# Altium PCB 智能马桶综合检测台_数据板V1.0.PcbDoc (part 5 of 8)
Units mil, origin at the board's own origin, x right, y up, seen from the top; angles counter-clockwise.
Board outline 5580 x 4007.36 mil, 2 copper layers (Top Layer, Bottom Layer); 109 components, 92 nets, 426 pads, 50 vias.
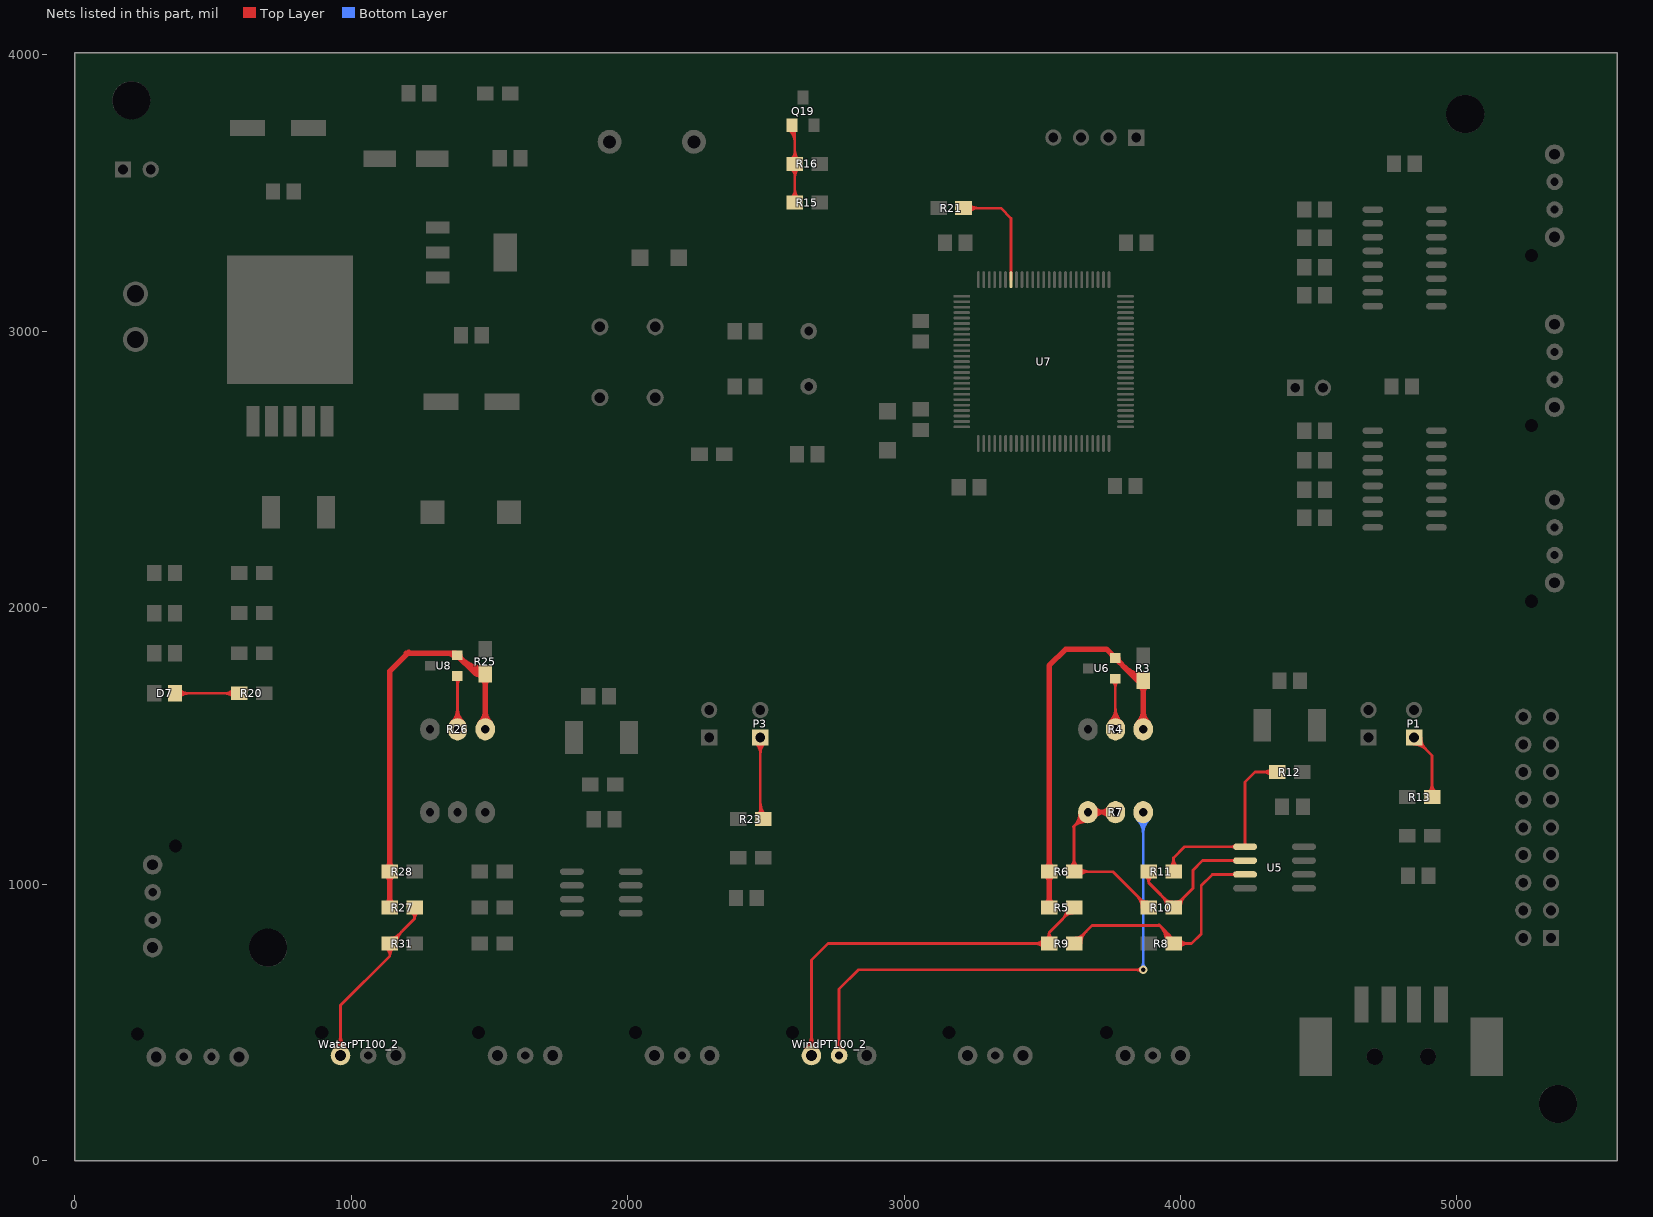
[diagram p5: the nets of this part, all layers, seen from the top]

## Via types
v1: diameter 30, hole 15, Top Layer to Bottom Layer, 31 vias
v2: diameter 40, hole 20, Top Layer to Bottom Layer, 19 vias

## Nets (pads, with @x,y where several pads share a name; then routed paths per layer and width w, separated by ;. In a path a pad name is that pad's centre, name@x,y a point inside that pad or via, vN(x,y) a via of type N, cw(c..) or ccw(c..) an arc to the next point about the centre after c; other vN are vias at no path point) (continued)
NetD7_2: D7.2 R20.2 | length 1156.2
  Top Layer w10: D7.2@362.4,1690 R20.2@595,1690 ; D7.2@376.96,1675.44 cw(c412.11,1640.29) 412.11,1690 ; D7.2@376.96,1675.44 cw(c412.11,1640.29) 412.11,1690 ; D7.2@376.96,1675.44 cw(c412.11,1640.29) 412.11,1690 ; D7.2@376.96,1675.44 cw(c412.11,1640.29) 412.11,1690 ; D7.2@376.96,1675.44 cw(c412.11,1640.29) 412.11,1690 ; D7.2@376.96,1675.44 cw(c412.11,1640.29) 412.11,1690 ; D7.2@376.96,1704.56 ccw(c412.11,1739.71) 412.11,1690 ; D7.2@376.96,1704.56 ccw(c412.11,1739.71) 412.11,1690 ; D7.2@376.96,1704.56 ccw(c412.11,1739.71) 412.11,1690 ; D7.2@376.96,1704.56 ccw(c412.11,1739.71) 412.11,1690 ; D7.2@376.96,1704.56 ccw(c412.11,1739.71) 412.11,1690 ; D7.2@376.96,1704.56 ccw(c412.11,1739.71) 412.11,1690 ; 541.72,1690 cw(c541.72,1641.72) R20.2@575.86,1675.86 ; 541.72,1690 ccw(c541.72,1738.28) R20.2@575.86,1704.14 ; 541.72,1690 ccw(c541.72,1738.28) R20.2@575.86,1704.14 ; 541.72,1690 cw(c541.72,1641.72) R20.2@575.86,1675.86 ; 541.72,1690 ccw(c541.72,1738.28) R20.2@575.86,1704.14 ; 541.72,1690 cw(c541.72,1641.72) R20.2@575.86,1675.86 ; 541.72,1690 ccw(c541.72,1738.28) R20.2@575.86,1704.14 ; 541.72,1690 cw(c541.72,1641.72) R20.2@575.86,1675.86 ; 541.72,1690 ccw(c541.72,1738.28) R20.2@575.86,1704.14 ; 541.72,1690 cw(c541.72,1641.72) R20.2@575.86,1675.86 ; 541.72,1690 ccw(c541.72,1738.28) R20.2@575.86,1704.14 ; 541.72,1690 cw(c541.72,1641.72) R20.2@575.86,1675.86
NetP1_1: P1.1 R13.2 | length 1585.6
  Top Layer w10: P1.1@4845,1530 4910,1465 R13.2@4910,1315 ; P1.1@4845,1505.47 cw(c4845,1446.26) 4886.87,1488.13 ; P1.1@4845,1505.47 cw(c4845,1446.26) 4886.87,1488.13 ; P1.1@4845,1505.47 cw(c4845,1446.26) 4886.87,1488.13 ; P1.1@4845,1505.47 cw(c4845,1446.26) 4886.87,1488.13 ; P1.1@4845,1505.47 cw(c4845,1446.26) 4886.87,1488.13 ; P1.1@4845,1505.47 cw(c4845,1446.26) 4886.87,1488.13 ; P1.1@4845,1515.47 cw(c4845,1480.4) P1.1@4869.8,1505.2 ; P1.1@4845,1515.47 cw(c4845,1480.4) P1.1@4869.8,1505.2 ; P1.1@4845,1515.47 cw(c4845,1480.4) P1.1@4869.8,1505.2 ; P1.1@4845,1515.47 cw(c4845,1480.4) P1.1@4869.8,1505.2 ; P1.1@4845,1515.47 cw(c4845,1480.4) P1.1@4869.8,1505.2 ; P1.1@4845,1515.47 cw(c4845,1480.4) P1.1@4869.8,1505.2 ; P1.1@4859.53,1530 ccw(c4894.6,1530) P1.1@4869.8,1505.2 ; P1.1@4859.53,1530 ccw(c4894.6,1530) P1.1@4869.8,1505.2 ; P1.1@4859.53,1530 ccw(c4894.6,1530) P1.1@4869.8,1505.2 ; P1.1@4859.53,1530 ccw(c4894.6,1530) P1.1@4869.8,1505.2 ; P1.1@4859.53,1530 ccw(c4894.6,1530) P1.1@4869.8,1505.2 ; P1.1@4859.53,1530 ccw(c4894.6,1530) P1.1@4869.8,1505.2 ; P1.1@4869.53,1530 ccw(c4928.74,1530) 4886.87,1488.13 ; P1.1@4869.53,1530 ccw(c4928.74,1530) 4886.87,1488.13 ; P1.1@4869.53,1530 ccw(c4928.74,1530) 4886.87,1488.13 ; P1.1@4869.53,1530 ccw(c4928.74,1530) 4886.87,1488.13 ; P1.1@4869.53,1530 ccw(c4928.74,1530) 4886.87,1488.13 ; P1.1@4869.53,1530 ccw(c4928.74,1530) 4886.87,1488.13 ; R13.2@4895.86,1329.14 ccw(c4861.72,1363.28) 4910,1363.28 ; R13.2@4895.86,1329.14 ccw(c4861.72,1363.28) 4910,1363.28 ; R13.2@4895.86,1329.14 ccw(c4861.72,1363.28) 4910,1363.28 ; R13.2@4895.86,1329.14 ccw(c4861.72,1363.28) 4910,1363.28 ; R13.2@4895.86,1329.14 ccw(c4861.72,1363.28) 4910,1363.28 ; R13.2@4895.86,1329.14 ccw(c4861.72,1363.28) 4910,1363.28 ; 4910,1363.28 ccw(c4958.28,1363.28) R13.2@4924.14,1329.14 ; 4910,1363.28 ccw(c4958.28,1363.28) R13.2@4924.14,1329.14 ; 4910,1363.28 ccw(c4958.28,1363.28) R13.2@4924.14,1329.14 ; 4910,1363.28 ccw(c4958.28,1363.28) R13.2@4924.14,1329.14 ; 4910,1363.28 ccw(c4958.28,1363.28) R13.2@4924.14,1329.14 ; 4910,1363.28 ccw(c4958.28,1363.28) R13.2@4924.14,1329.14
NetP3_1: P3.1 R23.2 | length 1837.1
  Top Layer w10: P3.1@2480,1530 2480,1245 R23.2@2490,1235 ; P3.1@2462.66,1512.66 cw(c2420.79,1470.79) 2480,1470.79 ; P3.1@2462.66,1512.66 cw(c2420.79,1470.79) 2480,1470.79 ; P3.1@2462.66,1512.66 cw(c2420.79,1470.79) 2480,1470.79 ; P3.1@2462.66,1512.66 cw(c2420.79,1470.79) 2480,1470.79 ; P3.1@2462.66,1512.66 cw(c2420.79,1470.79) 2480,1470.79 ; P3.1@2462.66,1512.66 cw(c2420.79,1470.79) 2480,1470.79 ; P3.1@2469.73,1519.73 cw(c2444.93,1494.93) 2480,1494.93 ; P3.1@2469.73,1519.73 cw(c2444.93,1494.93) 2480,1494.93 ; P3.1@2469.73,1519.73 cw(c2444.93,1494.93) 2480,1494.93 ; P3.1@2469.73,1519.73 cw(c2444.93,1494.93) 2480,1494.93 ; P3.1@2469.73,1519.73 cw(c2444.93,1494.93) 2480,1494.93 ; P3.1@2469.73,1519.73 cw(c2444.93,1494.93) 2480,1494.93 ; R23.2@2470.86,1249.14 ccw(c2448.79,1271.21) 2480,1271.21 ; R23.2@2470.86,1249.14 ccw(c2448.79,1271.21) 2480,1271.21 ; R23.2@2470.86,1249.14 ccw(c2448.79,1271.21) 2480,1271.21 ; R23.2@2470.86,1249.14 ccw(c2448.79,1271.21) 2480,1271.21 ; R23.2@2470.86,1249.14 ccw(c2448.79,1271.21) 2480,1271.21 ; R23.2@2470.86,1249.14 ccw(c2448.79,1271.21) 2480,1271.21 ; 2480,1271.21 ccw(c2521.21,1271.21) R23.2@2492.07,1242.07 ; 2480,1271.21 ccw(c2521.21,1271.21) R23.2@2492.07,1242.07 ; 2480,1271.21 ccw(c2521.21,1271.21) R23.2@2492.07,1242.07 ; 2480,1271.21 ccw(c2521.21,1271.21) R23.2@2492.07,1242.07 ; 2480,1271.21 ccw(c2521.21,1271.21) R23.2@2492.07,1242.07 ; 2480,1271.21 ccw(c2521.21,1271.21) R23.2@2492.07,1242.07 ; 2480,1295.36 ccw(c2545.36,1295.36) R23.2@2499.14,1249.14 ; 2480,1295.36 ccw(c2545.36,1295.36) R23.2@2499.14,1249.14 ; 2480,1295.36 ccw(c2545.36,1295.36) R23.2@2499.14,1249.14 ; 2480,1295.36 ccw(c2545.36,1295.36) R23.2@2499.14,1249.14 ; 2480,1295.36 ccw(c2545.36,1295.36) R23.2@2499.14,1249.14 ; 2480,1295.36 ccw(c2545.36,1295.36) R23.2@2499.14,1249.14 ; 2480,1470.79 cw(c2539.21,1470.79) P3.1@2497.34,1512.66 ; 2480,1470.79 cw(c2539.21,1470.79) P3.1@2497.34,1512.66 ; 2480,1470.79 cw(c2539.21,1470.79) P3.1@2497.34,1512.66 ; 2480,1470.79 cw(c2539.21,1470.79) P3.1@2497.34,1512.66 ; 2480,1470.79 cw(c2539.21,1470.79) P3.1@2497.34,1512.66 ; 2480,1470.79 cw(c2539.21,1470.79) P3.1@2497.34,1512.66 ; 2480,1494.93 cw(c2515.07,1494.93) P3.1@2490.27,1519.73 ; 2480,1494.93 cw(c2515.07,1494.93) P3.1@2490.27,1519.73 ; 2480,1494.93 cw(c2515.07,1494.93) P3.1@2490.27,1519.73 ; 2480,1494.93 cw(c2515.07,1494.93) P3.1@2490.27,1519.73 ; 2480,1494.93 cw(c2515.07,1494.93) P3.1@2490.27,1519.73 ; 2480,1494.93 cw(c2515.07,1494.93) P3.1@2490.27,1519.73
NetQ19_1: Q19.1 R15.2 R16.1 | length 2198.7
  Top Layer w10: Q19.1@2595,3745 2605,3735 R15.2@2605,3465 ; Q19.1@2584.39,3729.39 cw(c2534.64,3679.64) 2605,3679.64 ; Q19.1@2584.39,3729.39 cw(c2534.64,3679.64) 2605,3679.64 ; Q19.1@2584.39,3729.39 cw(c2534.64,3679.64) 2605,3679.64 ; Q19.1@2584.39,3729.39 cw(c2534.64,3679.64) 2605,3679.64 ; Q19.1@2584.39,3729.39 cw(c2534.64,3679.64) 2605,3679.64 ; Q19.1@2584.39,3729.39 cw(c2534.64,3679.64) 2605,3679.64 ; R15.2@2590.86,3479.14 ccw(c2556.72,3513.28) 2605,3513.28 ; R15.2@2590.86,3479.14 ccw(c2556.72,3513.28) 2605,3513.28 ; R15.2@2590.86,3479.14 ccw(c2556.72,3513.28) 2605,3513.28 ; R15.2@2590.86,3479.14 ccw(c2556.72,3513.28) 2605,3513.28 ; R15.2@2590.86,3479.14 ccw(c2556.72,3513.28) 2605,3513.28 ; R15.2@2590.86,3479.14 ccw(c2556.72,3513.28) 2605,3513.28 ; R16.1@2590.86,3590.86 cw(c2556.72,3556.72) 2605,3556.72 ; R16.1@2590.86,3590.86 cw(c2556.72,3556.72) 2605,3556.72 ; R16.1@2590.86,3590.86 cw(c2556.72,3556.72) 2605,3556.72 ; R16.1@2590.86,3590.86 cw(c2556.72,3556.72) 2605,3556.72 ; R16.1@2590.86,3590.86 cw(c2556.72,3556.72) 2605,3556.72 ; R16.1@2590.86,3590.86 cw(c2556.72,3556.72) 2605,3556.72 ; R16.1@2590.86,3619.14 ccw(c2556.72,3653.28) 2605,3653.28 ; R16.1@2590.86,3619.14 ccw(c2556.72,3653.28) 2605,3653.28 ; R16.1@2590.86,3619.14 ccw(c2556.72,3653.28) 2605,3653.28 ; R16.1@2590.86,3619.14 ccw(c2556.72,3653.28) 2605,3653.28 ; R16.1@2590.86,3619.14 ccw(c2556.72,3653.28) 2605,3653.28 ; R16.1@2590.86,3619.14 ccw(c2556.72,3653.28) 2605,3653.28 ; Q19.1@2591.46,3736.46 cw(c2558.79,3703.79) 2605,3703.79 ; Q19.1@2591.46,3736.46 cw(c2558.79,3703.79) 2605,3703.79 ; Q19.1@2591.46,3736.46 cw(c2558.79,3703.79) 2605,3703.79 ; Q19.1@2591.46,3736.46 cw(c2558.79,3703.79) 2605,3703.79 ; Q19.1@2591.46,3736.46 cw(c2558.79,3703.79) 2605,3703.79 ; Q19.1@2591.46,3736.46 cw(c2558.79,3703.79) 2605,3703.79 ; 2605,3513.28 ccw(c2653.28,3513.28) R15.2@2619.14,3479.14 ; 2605,3513.28 ccw(c2653.28,3513.28) R15.2@2619.14,3479.14 ; 2605,3513.28 ccw(c2653.28,3513.28) R15.2@2619.14,3479.14 ; 2605,3513.28 ccw(c2653.28,3513.28) R15.2@2619.14,3479.14 ; 2605,3513.28 ccw(c2653.28,3513.28) R15.2@2619.14,3479.14 ; 2605,3513.28 ccw(c2653.28,3513.28) R15.2@2619.14,3479.14 ; 2605,3556.72 cw(c2653.28,3556.72) R16.1@2619.14,3590.86 ; 2605,3556.72 cw(c2653.28,3556.72) R16.1@2619.14,3590.86 ; 2605,3556.72 cw(c2653.28,3556.72) R16.1@2619.14,3590.86 ; 2605,3556.72 cw(c2653.28,3556.72) R16.1@2619.14,3590.86 ; 2605,3556.72 cw(c2653.28,3556.72) R16.1@2619.14,3590.86 ; 2605,3556.72 cw(c2653.28,3556.72) R16.1@2619.14,3590.86 ; 2605,3653.28 ccw(c2653.28,3653.28) R16.1@2619.14,3619.14 ; 2605,3653.28 ccw(c2653.28,3653.28) R16.1@2619.14,3619.14 ; 2605,3653.28 ccw(c2653.28,3653.28) R16.1@2619.14,3619.14 ; 2605,3653.28 ccw(c2653.28,3653.28) R16.1@2619.14,3619.14 ; 2605,3653.28 ccw(c2653.28,3653.28) R16.1@2619.14,3619.14 ; 2605,3653.28 ccw(c2653.28,3653.28) R16.1@2619.14,3619.14
NetR3_1: R3.1 R4.1 R5.2 R6.2 U6.2 | length 3080.2
  Top Layer w20: R5.2@3525,915 3525,1790 3585,1850 3731.61,1850 3846.61,1735 R3.1@3865,1735 ; U6.2@3749.36,1832.26 cw(c3734.51,1817.4) U6.2@3755.51,1817.4 ; U6.2@3772.91,1817.4 ccw(c3793.92,1817.4) U6.2@3779.07,1802.55 ; 3799.47,1782.14 ccw(c3865,1847.67) R3.1@3865,1755 ; 3833.61,1748 ccw(c3865,1779.39) R3.1@3865,1735 ; R3.1@3854.39,1719.39 cw(c3828.79,1693.79) 3865,1693.79 cw(c3901.21,1693.79) R3.1@3875.61,1719.39 ; R4.1@3865,1560 R3.1@3865,1735 ; R5.2@3514.39,925.61 ccw(c3488.79,951.21) 3525,951.21 ; R5.2@3514.39,925.61 ccw(c3488.79,951.21) 3525,951.21 ; R5.2@3514.39,925.61 ccw(c3488.79,951.21) 3525,951.21 ; R5.2@3514.39,925.61 ccw(c3488.79,951.21) 3525,951.21 ; R5.2@3514.39,925.61 ccw(c3488.79,951.21) 3525,951.21 ; R5.2@3514.39,925.61 ccw(c3488.79,951.21) 3525,951.21 ; R6.2@3514.39,1034.39 cw(c3488.79,1008.79) 3525,1008.79 ; R6.2@3514.39,1034.39 cw(c3488.79,1008.79) 3525,1008.79 ; R6.2@3514.39,1034.39 cw(c3488.79,1008.79) 3525,1008.79 ; R6.2@3514.39,1034.39 cw(c3488.79,1008.79) 3525,1008.79 ; R6.2@3514.39,1034.39 cw(c3488.79,1008.79) 3525,1008.79 ; R6.2@3514.39,1034.39 cw(c3488.79,1008.79) 3525,1008.79 ; R6.2@3514.39,1055.61 ccw(c3488.79,1081.21) 3525,1081.21 ; R6.2@3514.39,1055.61 ccw(c3488.79,1081.21) 3525,1081.21 ; R6.2@3514.39,1055.61 ccw(c3488.79,1081.21) 3525,1081.21 ; R6.2@3514.39,1055.61 ccw(c3488.79,1081.21) 3525,1081.21 ; R6.2@3514.39,1055.61 ccw(c3488.79,1081.21) 3525,1081.21 ; R6.2@3514.39,1055.61 ccw(c3488.79,1081.21) 3525,1081.21 ; 3525,951.21 ccw(c3561.21,951.21) R5.2@3535.61,925.61 ; 3525,951.21 ccw(c3561.21,951.21) R5.2@3535.61,925.61 ; 3525,951.21 ccw(c3561.21,951.21) R5.2@3535.61,925.61 ; 3525,951.21 ccw(c3561.21,951.21) R5.2@3535.61,925.61 ; 3525,951.21 ccw(c3561.21,951.21) R5.2@3535.61,925.61 ; 3525,951.21 ccw(c3561.21,951.21) R5.2@3535.61,925.61 ; 3525,1008.79 cw(c3561.21,1008.79) R6.2@3535.61,1034.39 ; 3525,1008.79 cw(c3561.21,1008.79) R6.2@3535.61,1034.39 ; 3525,1008.79 cw(c3561.21,1008.79) R6.2@3535.61,1034.39 ; 3525,1008.79 cw(c3561.21,1008.79) R6.2@3535.61,1034.39 ; 3525,1008.79 cw(c3561.21,1008.79) R6.2@3535.61,1034.39 ; 3525,1008.79 cw(c3561.21,1008.79) R6.2@3535.61,1034.39 ; 3525,1081.21 ccw(c3561.21,1081.21) R6.2@3535.61,1055.61 ; 3525,1081.21 ccw(c3561.21,1081.21) R6.2@3535.61,1055.61 ; 3525,1081.21 ccw(c3561.21,1081.21) R6.2@3535.61,1055.61 ; 3525,1081.21 ccw(c3561.21,1081.21) R6.2@3535.61,1055.61 ; 3525,1081.21 ccw(c3561.21,1081.21) R6.2@3535.61,1055.61 ; 3525,1081.21 ccw(c3561.21,1081.21) R6.2@3535.61,1055.61 ; R4.1@3855.37,1569.63 ccw(c3832.11,1592.89) R4.1@3865,1592.89 ; R4.1@3855.37,1569.63 ccw(c3832.11,1592.89) R4.1@3865,1592.89 ; R4.1@3855.37,1569.63 ccw(c3832.11,1592.89) R4.1@3865,1592.89 ; R4.1@3855.37,1569.63 ccw(c3832.11,1592.89) R4.1@3865,1592.89 ; R4.1@3865,1592.89 ccw(c3897.89,1592.89) R4.1@3874.63,1569.63 ; R4.1@3865,1592.89 ccw(c3897.89,1592.89) R4.1@3874.63,1569.63 ; R4.1@3865,1592.89 ccw(c3897.89,1592.89) R4.1@3874.63,1569.63 ; R4.1@3865,1592.89 ccw(c3897.89,1592.89) R4.1@3874.63,1569.63 ; 3865,1625.36 cw(c3804.64,1625.36) 3847.32,1582.68 ccw(c3804.64,1625.36) 3865,1625.36 ; 3865,1625.36 ccw(c3925.36,1625.36) 3882.68,1582.68 cw(c3925.36,1625.36) 3865,1625.36
NetR4_W: R4.W U6.1 | length 420.8
  Top Layer w10: R4.W@3743.79,1586.21 ccw(c3694.47,1635.53) 3764.21,1635.53 ; R4.W@3750.86,1579.14 ccw(c3718.62,1611.38) 3764.21,1611.38 ; U6.1@3755.22,1733.61 cw(c3733.51,1711.9) 3764.21,1711.9 cw(c3794.91,1711.9) U6.1@3773.2,1733.61 ; 3764.21,1615.19 ccw(c3815.19,1615.19) R4.W@3779.14,1579.14 ; 3764.21,1639.33 ccw(c3839.33,1639.33) R4.W@3786.21,1586.21 ; U6.1@3764.21,1742.6 3764.21,1560.79 R4.W@3765,1560
NetR5_1: R5.1 R9.2 WindPT100_2.1 | length 3802.2
  Top Layer w10: WindPT100_2.1@2665,380 2665,725 2725,785 R9.2@3525,785 3525,825 ; R5.1@3615,915 3525,825 ; WindPT100_2.1@2643.48,401.52 ccw(c2591.53,453.47) 2665,453.47 ; WindPT100_2.1@2643.48,401.52 ccw(c2591.53,453.47) 2665,453.47 ; WindPT100_2.1@2643.48,401.52 ccw(c2591.53,453.47) 2665,453.47 ; WindPT100_2.1@2643.48,401.52 ccw(c2591.53,453.47) 2665,453.47 ; WindPT100_2.1@2643.48,401.52 ccw(c2591.53,453.47) 2665,453.47 ; WindPT100_2.1@2643.48,401.52 ccw(c2591.53,453.47) 2665,453.47 ; WindPT100_2.1@2650.55,394.45 ccw(c2615.67,429.33) 2665,429.33 ; WindPT100_2.1@2650.55,394.45 ccw(c2615.67,429.33) 2665,429.33 ; WindPT100_2.1@2650.55,394.45 ccw(c2615.67,429.33) 2665,429.33 ; WindPT100_2.1@2650.55,394.45 ccw(c2615.67,429.33) 2665,429.33 ; WindPT100_2.1@2650.55,394.45 ccw(c2615.67,429.33) 2665,429.33 ; WindPT100_2.1@2650.55,394.45 ccw(c2615.67,429.33) 2665,429.33 ; 2665,429.33 ccw(c2714.33,429.33) WindPT100_2.1@2679.45,394.45 ; 2665,429.33 ccw(c2714.33,429.33) WindPT100_2.1@2679.45,394.45 ; 2665,429.33 ccw(c2714.33,429.33) WindPT100_2.1@2679.45,394.45 ; 2665,429.33 ccw(c2714.33,429.33) WindPT100_2.1@2679.45,394.45 ; 2665,429.33 ccw(c2714.33,429.33) WindPT100_2.1@2679.45,394.45 ; 2665,429.33 ccw(c2714.33,429.33) WindPT100_2.1@2679.45,394.45 ; 2665,453.47 ccw(c2738.47,453.47) WindPT100_2.1@2686.52,401.52 ; 2665,453.47 ccw(c2738.47,453.47) WindPT100_2.1@2686.52,401.52 ; 2665,453.47 ccw(c2738.47,453.47) WindPT100_2.1@2686.52,401.52 ; 2665,453.47 ccw(c2738.47,453.47) WindPT100_2.1@2686.52,401.52 ; 2665,453.47 ccw(c2738.47,453.47) WindPT100_2.1@2686.52,401.52 ; 2665,453.47 ccw(c2738.47,453.47) WindPT100_2.1@2686.52,401.52 ; 3471.72,785 cw(c3471.72,736.72) R9.2@3505.86,770.86 ; 3471.72,785 ccw(c3471.72,833.28) R9.2@3505.86,799.14 ; 3471.72,785 ccw(c3471.72,833.28) R9.2@3505.86,799.14 ; 3471.72,785 cw(c3471.72,736.72) R9.2@3505.86,770.86 ; 3471.72,785 ccw(c3471.72,833.28) R9.2@3505.86,799.14 ; 3471.72,785 cw(c3471.72,736.72) R9.2@3505.86,770.86 ; 3471.72,785 ccw(c3471.72,833.28) R9.2@3505.86,799.14 ; 3471.72,785 cw(c3471.72,736.72) R9.2@3505.86,770.86 ; 3471.72,785 ccw(c3471.72,833.28) R9.2@3505.86,799.14 ; 3471.72,785 cw(c3471.72,736.72) R9.2@3505.86,770.86 ; 3471.72,785 ccw(c3471.72,833.28) R9.2@3505.86,799.14 ; 3471.72,785 cw(c3471.72,736.72) R9.2@3505.86,770.86 ; R9.2@3513,801 ccw(c3495,825) 3525,825 ; R9.2@3513,801 ccw(c3495,825) 3525,825 ; R9.2@3513,801 ccw(c3495,825) 3525,825 ; 3525,825 ccw(c3555,825) R9.2@3537,801 ; 3525,825 ccw(c3555,825) R9.2@3537,801 ; 3525,825 ccw(c3555,825) R9.2@3537,801 ; 3572.32,872.32 ccw(c3529.64,915) R5.1@3590,915 ; 3572.32,872.32 ccw(c3529.64,915) R5.1@3590,915 ; 3572.32,872.32 ccw(c3529.64,915) R5.1@3590,915 ; 3572.32,872.32 ccw(c3529.64,915) R5.1@3590,915 ; 3572.32,872.32 ccw(c3529.64,915) R5.1@3590,915 ; 3572.32,872.32 ccw(c3529.64,915) R5.1@3590,915 ; 3584.39,884.39 cw(c3610,858.79) R5.1@3610,895 ; 3584.39,884.39 cw(c3610,858.79) R5.1@3610,895 ; 3584.39,884.39 cw(c3610,858.79) R5.1@3610,895 ; 3584.39,884.39 cw(c3610,858.79) R5.1@3610,895 ; 3584.39,884.39 cw(c3610,858.79) R5.1@3610,895 ; 3584.39,884.39 cw(c3610,858.79) R5.1@3610,895 ; 3589.39,889.39 ccw(c3563.79,915) R5.1@3600,915 ; 3589.39,889.39 ccw(c3563.79,915) R5.1@3600,915 ; 3589.39,889.39 ccw(c3563.79,915) R5.1@3600,915 ; 3589.39,889.39 ccw(c3563.79,915) R5.1@3600,915 ; 3589.39,889.39 ccw(c3563.79,915) R5.1@3600,915 ; 3589.39,889.39 ccw(c3563.79,915) R5.1@3600,915
NetR6_1: R6.1 R7.2 R7.W R10.2 | length 4139.7
  Top Layer w10: R7.W@3765,1260 R7.2@3665,1260 3615,1210 R6.1@3615,1045 3755,1045 R10.2@3885,915 ; R6.1@3600.86,1059.14 ccw(c3566.72,1093.28) 3615,1093.28 ; R6.1@3600.86,1059.14 ccw(c3566.72,1093.28) 3615,1093.28 ; R6.1@3600.86,1059.14 ccw(c3566.72,1093.28) 3615,1093.28 ; R6.1@3600.86,1059.14 ccw(c3566.72,1093.28) 3615,1093.28 ; R6.1@3600.86,1059.14 ccw(c3566.72,1093.28) 3615,1093.28 ; R6.1@3600.86,1059.14 ccw(c3566.72,1093.28) 3615,1093.28 ; 3615,1093.28 ccw(c3663.28,1093.28) R6.1@3629.14,1059.14 ; 3615,1093.28 ccw(c3663.28,1093.28) R6.1@3629.14,1059.14 ; 3615,1093.28 ccw(c3663.28,1093.28) R6.1@3629.14,1059.14 ; 3615,1093.28 ccw(c3663.28,1093.28) R6.1@3629.14,1059.14 ; 3615,1093.28 ccw(c3663.28,1093.28) R6.1@3629.14,1059.14 ; 3615,1093.28 ccw(c3663.28,1093.28) R6.1@3629.14,1059.14 ; 3633.21,1228.21 ccw(c3601.42,1260) R7.2@3646.38,1260 ; 3633.21,1228.21 cw(c3665,1196.42) R7.2@3665,1241.38 ; 3633.21,1228.21 ccw(c3601.42,1260) R7.2@3646.38,1260 ; 3633.21,1228.21 cw(c3665,1196.42) R7.2@3665,1241.38 ; 3633.21,1228.21 ccw(c3601.42,1260) R7.2@3646.38,1260 ; 3633.21,1228.21 cw(c3665,1196.42) R7.2@3665,1241.38 ; 3633.21,1228.21 ccw(c3601.42,1260) R7.2@3646.38,1260 ; 3633.21,1228.21 cw(c3665,1196.42) R7.2@3665,1241.38 ; R6.1@3634.14,1030.86 cw(c3668.28,996.72) 3668.28,1045 ; R6.1@3634.14,1030.86 cw(c3668.28,996.72) 3668.28,1045 ; R6.1@3634.14,1030.86 cw(c3668.28,996.72) 3668.28,1045 ; R6.1@3634.14,1030.86 cw(c3668.28,996.72) 3668.28,1045 ; R6.1@3634.14,1030.86 cw(c3668.28,996.72) 3668.28,1045 ; R6.1@3634.14,1030.86 cw(c3668.28,996.72) 3668.28,1045 ; R6.1@3634.14,1059.14 ccw(c3668.28,1093.28) 3668.28,1045 ; R6.1@3634.14,1059.14 ccw(c3668.28,1093.28) 3668.28,1045 ; R6.1@3634.14,1059.14 ccw(c3668.28,1093.28) 3668.28,1045 ; R6.1@3634.14,1059.14 ccw(c3668.28,1093.28) 3668.28,1045 ; R6.1@3634.14,1059.14 ccw(c3668.28,1093.28) 3668.28,1045 ; R6.1@3634.14,1059.14 ccw(c3668.28,1093.28) 3668.28,1045 ; R7.2@3678.17,1246.83 cw(c3709.96,1215.04) 3709.96,1260 ; R7.2@3678.17,1246.83 cw(c3709.96,1215.04) 3709.96,1260 ; R7.2@3678.17,1246.83 cw(c3709.96,1215.04) 3709.96,1260 ; R7.2@3678.17,1246.83 cw(c3709.96,1215.04) 3709.96,1260 ; R7.2@3678.17,1273.17 ccw(c3709.96,1304.96) 3709.96,1260 ; R7.2@3678.17,1273.17 ccw(c3709.96,1304.96) 3709.96,1260 ; R7.2@3678.17,1273.17 ccw(c3709.96,1304.96) 3709.96,1260 ; R7.2@3678.17,1273.17 ccw(c3709.96,1304.96) 3709.96,1260 ; R7.2@3692.57,1260 cw(c3692.57,1187.57) 3743.79,1238.79 ccw(c3692.57,1187.57) R7.2@3692.57,1260 ; R7.2@3692.57,1260 ccw(c3692.57,1332.43) 3743.79,1281.21 cw(c3692.57,1332.43) R7.2@3692.57,1260 ; 3713.28,1260 cw(c3713.28,1308.28) 3679.14,1274.14 ccw(c3713.28,1308.28) 3713.28,1260 ; 3713.28,1260 ccw(c3713.28,1211.72) 3679.14,1245.86 cw(c3713.28,1211.72) 3713.28,1260 ; 3716.72,1260 cw(c3716.72,1211.72) 3750.86,1245.86 ccw(c3716.72,1211.72) 3716.72,1260 ; 3716.72,1260 ccw(c3716.72,1308.28) 3750.86,1274.14 cw(c3716.72,1308.28) 3716.72,1260 ; 3720.04,1260 ccw(c3720.04,1304.96) R7.W@3751.83,1273.17 ; 3720.04,1260 cw(c3720.04,1215.04) R7.W@3751.83,1246.83 ; 3720.04,1260 ccw(c3720.04,1304.96) R7.W@3751.83,1273.17 ; 3720.04,1260 cw(c3720.04,1215.04) R7.W@3751.83,1246.83 ; 3720.04,1260 ccw(c3720.04,1304.96) R7.W@3751.83,1273.17 ; 3720.04,1260 cw(c3720.04,1215.04) R7.W@3751.83,1246.83 ; 3720.04,1260 ccw(c3720.04,1304.96) R7.W@3751.83,1273.17 ; 3720.04,1260 cw(c3720.04,1215.04) R7.W@3751.83,1246.83 ; R7.W@3737.43,1260 cw(c3737.43,1332.43) 3686.21,1281.21 ccw(c3737.43,1332.43) R7.W@3737.43,1260 ; R7.W@3737.43,1260 ccw(c3737.43,1187.57) 3686.21,1238.79 cw(c3737.43,1187.57) R7.W@3737.43,1260 ; 3842.32,957.68 cw(c3799.64,915) R10.2@3860,915 ; 3842.32,957.68 cw(c3799.64,915) R10.2@3860,915 ; 3842.32,957.68 cw(c3799.64,915) R10.2@3860,915 ; 3842.32,957.68 cw(c3799.64,915) R10.2@3860,915 ; 3842.32,957.68 cw(c3799.64,915) R10.2@3860,915 ; 3842.32,957.68 cw(c3799.64,915) R10.2@3860,915 ; 3854.39,945.61 ccw(c3880,971.21) R10.2@3880,935 ; 3854.39,945.61 ccw(c3880,971.21) R10.2@3880,935 ; 3854.39,945.61 ccw(c3880,971.21) R10.2@3880,935 ; 3854.39,945.61 ccw(c3880,971.21) R10.2@3880,935 ; 3854.39,945.61 ccw(c3880,971.21) R10.2@3880,935 ; 3854.39,945.61 ccw(c3880,971.21) R10.2@3880,935 ; 3859.39,940.61 cw(c3833.79,915) R10.2@3870,915 ; 3859.39,940.61 cw(c3833.79,915) R10.2@3870,915 ; 3859.39,940.61 cw(c3833.79,915) R10.2@3870,915 ; 3859.39,940.61 cw(c3833.79,915) R10.2@3870,915 ; 3859.39,940.61 cw(c3833.79,915) R10.2@3870,915 ; 3859.39,940.61 cw(c3833.79,915) R10.2@3870,915 ; 3612.5,1207.5 cw(c3655.85,1164.15) 3661.99,1225.15 ccw(c3655.85,1164.15) 3612.5,1207.5 ; 3617.32,1212.32 ccw(c3574.64,1255) 3635,1255 cw(c3574.64,1255) 3617.32,1212.32 ; 3627.41,1222.41 cw(c3658.58,1191.24) 3663,1235.1 ccw(c3658.58,1191.24) 3627.41,1222.41 ; 3634.39,1229.39 ccw(c3608.79,1255) 3645,1255 cw(c3608.79,1255) 3634.39,1229.39